# Altium PCB ESP32.PcbDoc
Units mm, origin at the board's own origin, x right, y up, seen from the top; angles counter-clockwise.
Board outline 56 x 56 mm, 2 copper layers (Top Layer, Bottom Layer), stack 0.779 mm thick; 69 components, 63 nets, 269 pads, 118 vias.
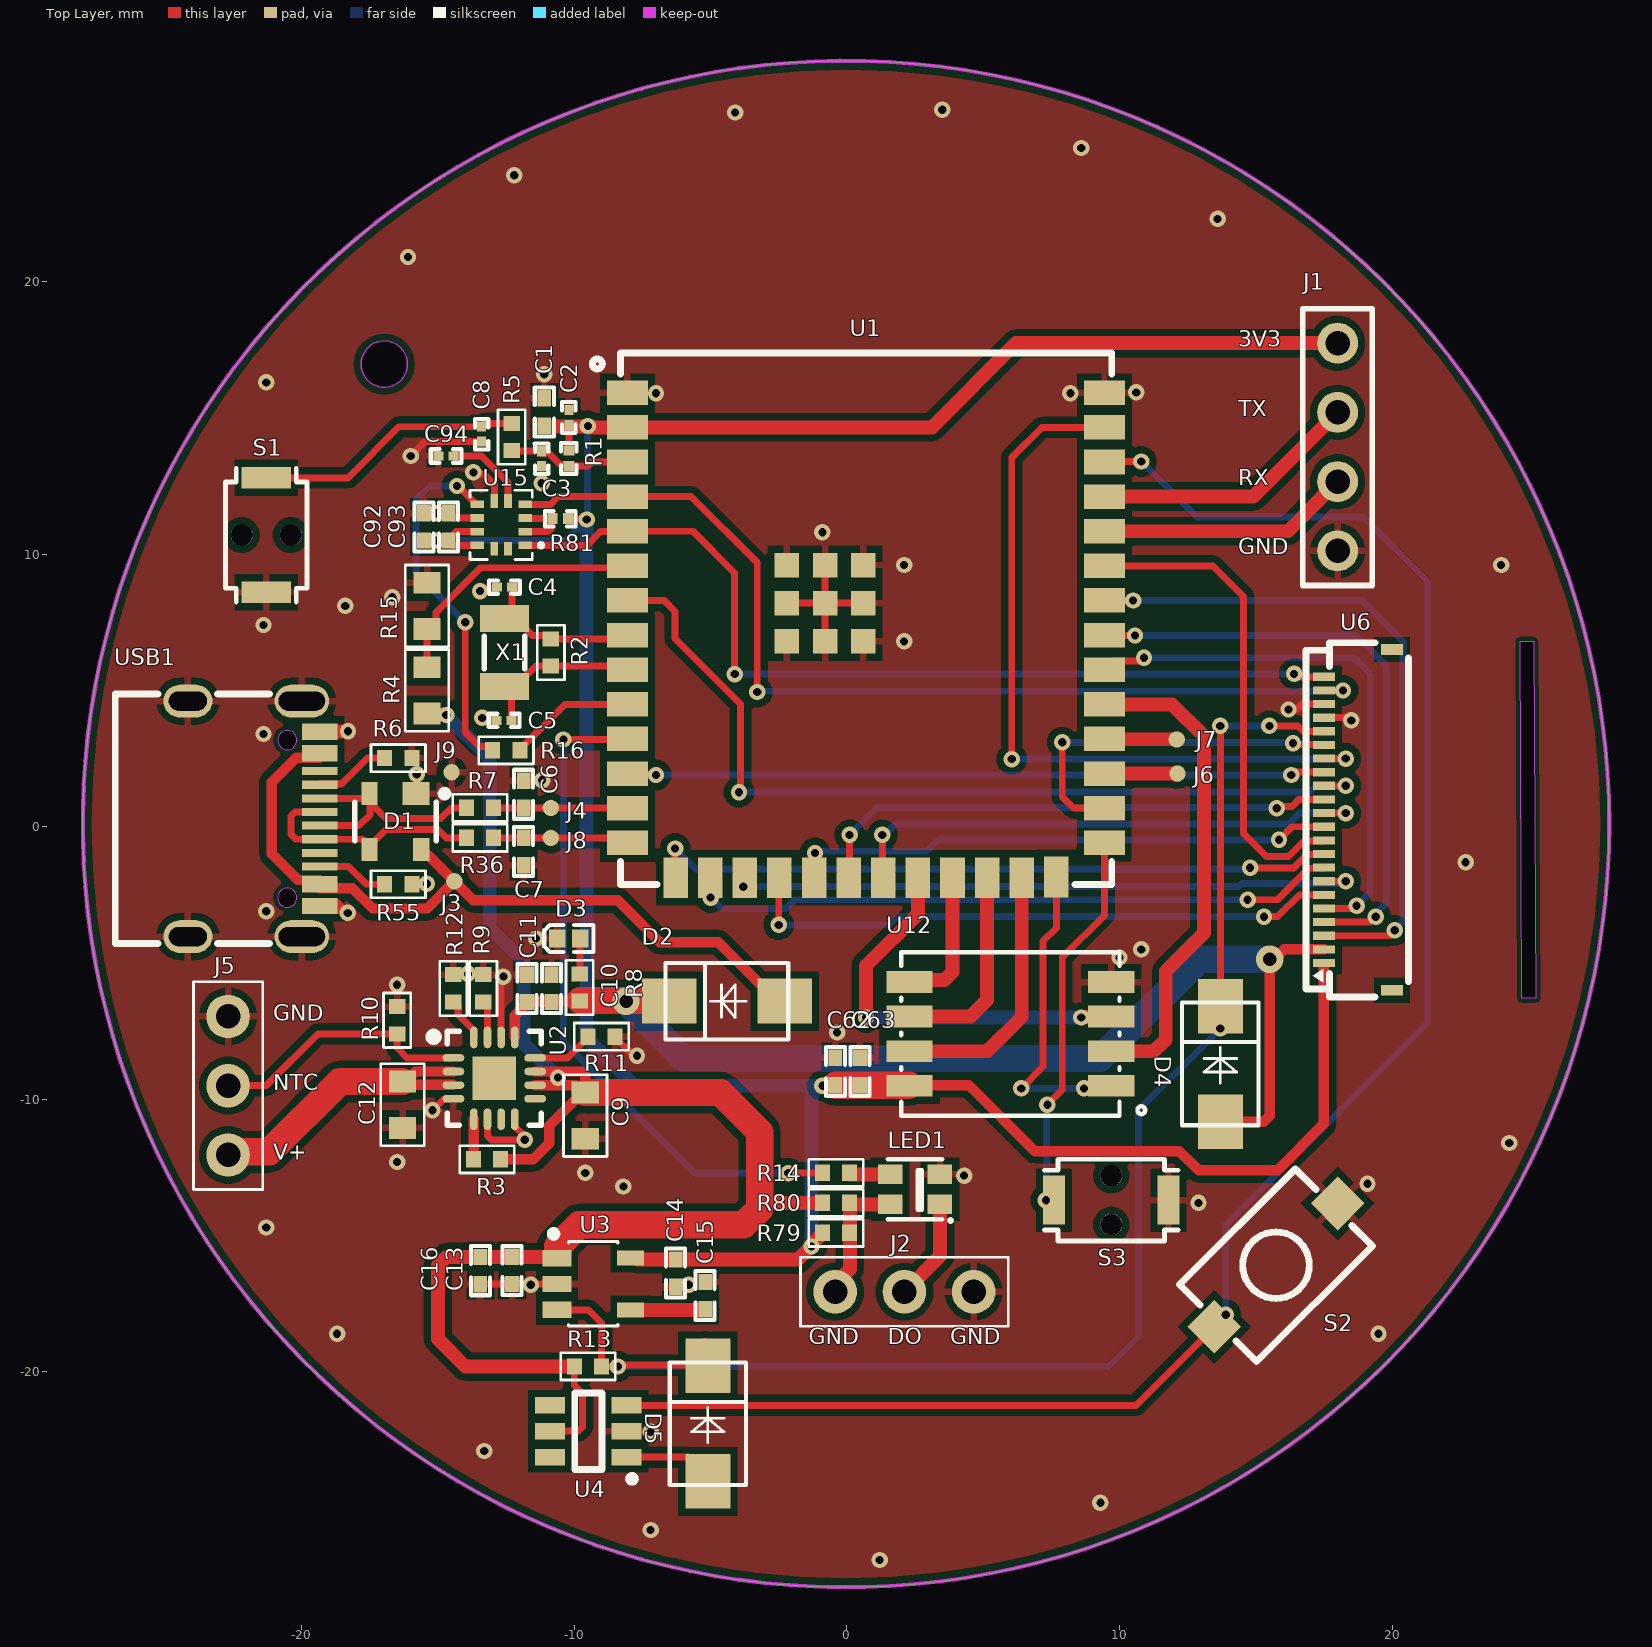
[diagram p0: Top Layer view]
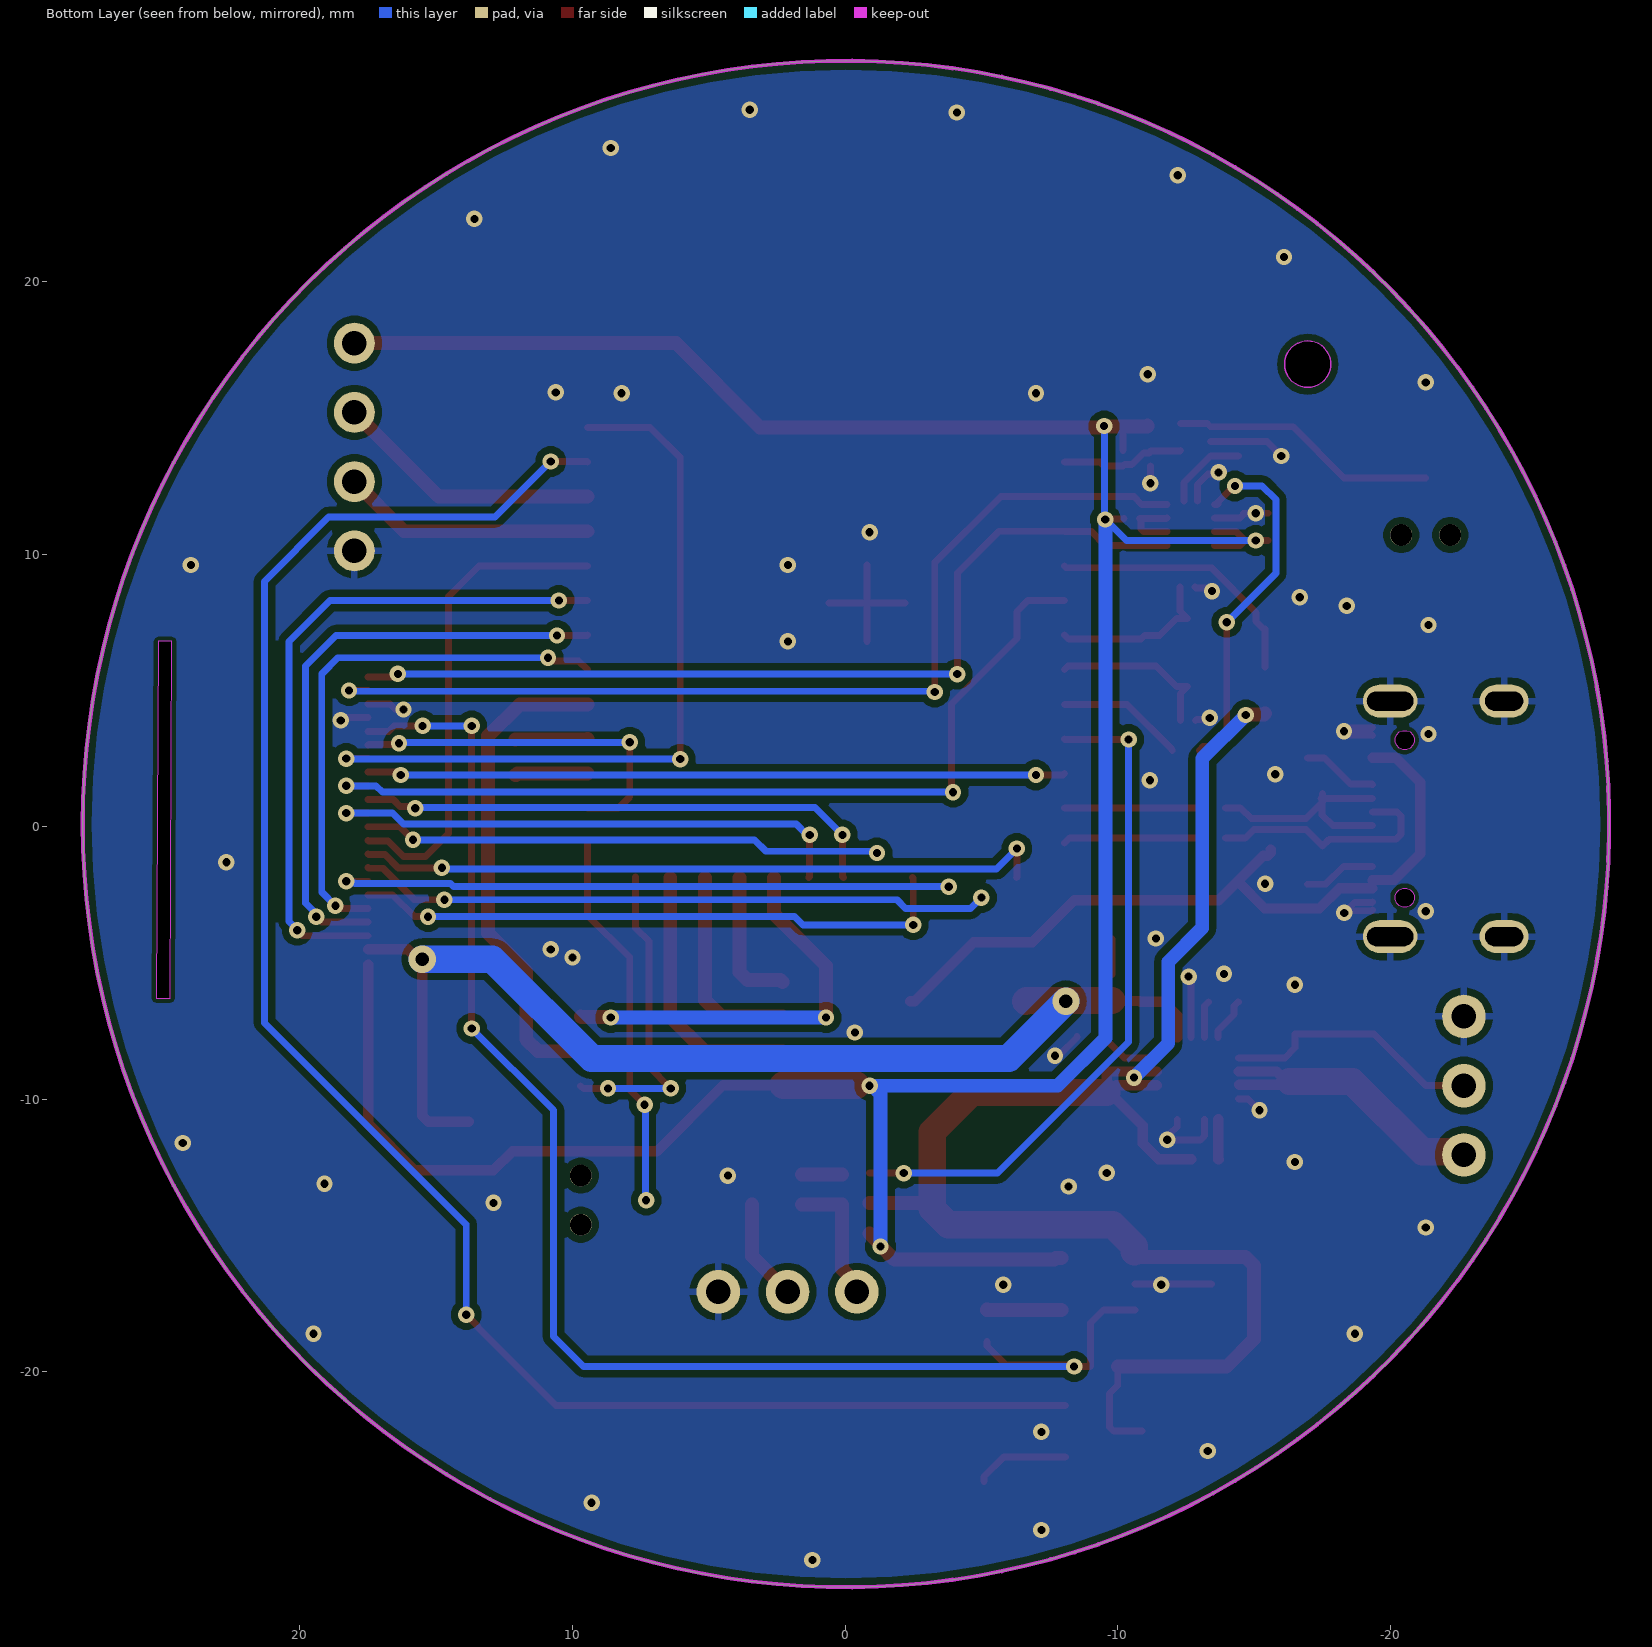
[diagram p1: Bottom Layer view, seen from below]
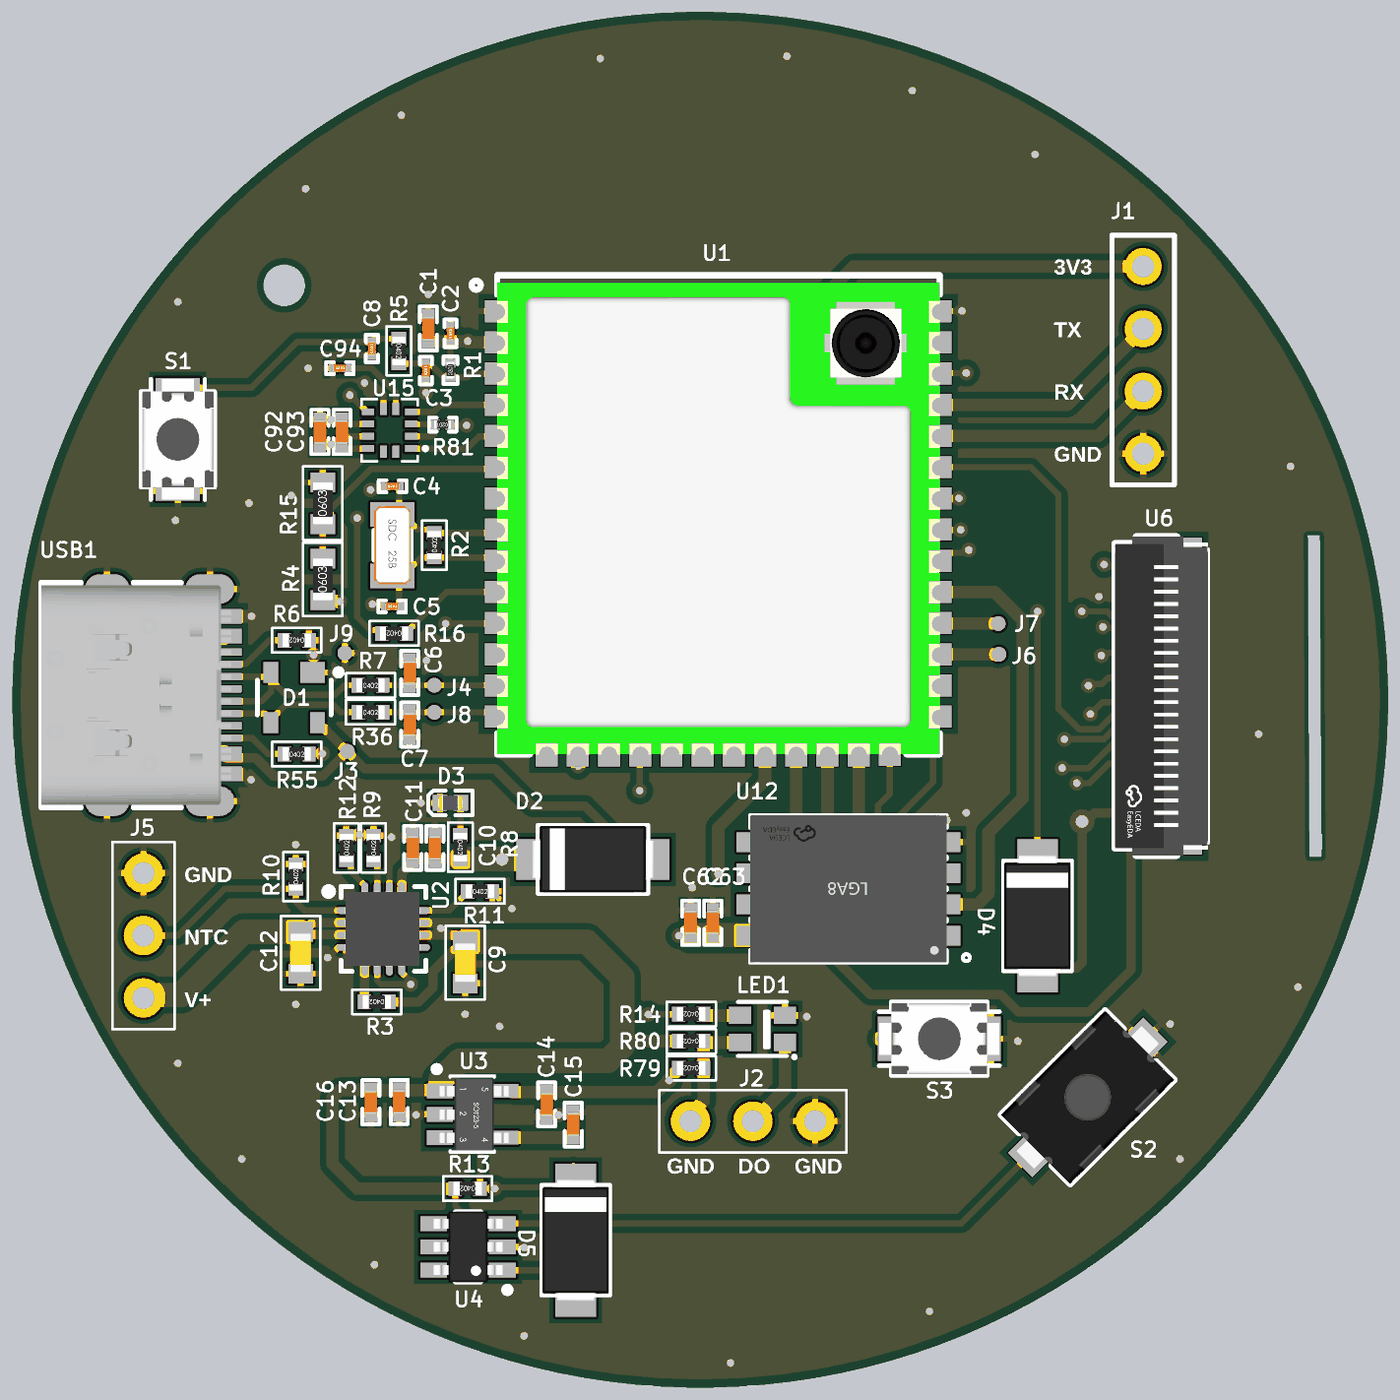
[diagram p2: 3D render of the assembled board from above, using the file's embedded part models]

## Layer stack, top to bottom
Top Solder: solder mask 0.0102, Solder Resist, Dk 3.5
Top Layer: signal copper 0.035
Dielectric: dielectric 0.709, FR-4, Dk 4.8
Bottom Layer: signal copper 0.035
Bottom Solder: solder mask 0.0102, Solder Resist, Dk 3.5

## Board outline
-28.032,0.1 ccw(c-0.032,0.1) -0.032,-27.9 ccw(c-0.032,0.1) 27.968,0.1 ccw(c-0.032,0.1) -0.032,28.1 ccw(c-0.032,0.1)
cut-out: -16.971,16.121 cw(c-16.971,16.971) -17.821,16.971 cw(c-16.971,16.971) -16.971,17.821 cw(c-16.971,16.971) -16.121,16.971 cw(c-16.971,16.971)
cut-out: 24.763,-6.301 24.697,6.798 25.198,6.801 25.264,-6.299

## Design rules (kind name [scope] priority, off if disabled: settings)
Clearance [All] p1: gap=0.152 ignorepadtopadclearanceinfootprint=FALSE except(0.254: Arc-Poly Track-Poly SMDPad-Poly THPad-Poly Via-Poly Fill-Poly Poly-Poly)
DiffPairsRouting [All] p1: maxlimit=0.254 minlimit=0.254 mostfreqgap=0.254 toplayer_minwidth=0.152 toplayer_maxwidth=0.381 toplayer_prefwidth=0.381 bottomlayer_minwidth=0.152 bottomlayer_maxwidth=0.381 bottomlayer_prefwidth=0.381 maxuncoupledlength=12.7
PolygonConnect [All] p1: thpad.connectstyle=Relief thpad.reliefconductorwidth=0.254 thpad.reliefentries=4 thpad.polygonreliefangle="90 Angle" thpad.airgapwidth=0.254 smdpad.connectstyle=Relief smdpad.reliefconductorwidth=0.254 smdpad.reliefentries=4 smdpad.polygonreliefangle="90 Angle" smdpad.airgapwidth=0.254 via.connectstyle=Direct via.reliefconductorwidth=0.254 via.reliefentries=4 via.polygonreliefangle="90 Angle" via.airgapwidth=0.254
RoutingVias [All] p1: holewidth=0.711 width=1.27 viastyle="Through Hole" minholewidth=0.3 minwidth=0.6 maxholewidth=0.711 maxwidth=1.27
SilkToSilkClearance [All] p1: silktosilkclearance=0
SolderMaskExpansion [All] p1: expansion=0.102 istentingtop=FALSE
Width [All] p1: maxlimit=1 minlimit=0.254 preferedwidth=0.254
28 further rules are at their usual default settings.

## Classes and differential pairs
component class SD: C62 C63 U12
component class Power: C9 C10 C11 C12 C13 C14 C15 C16 D2 D3 D4 D5 J5 R3 R8 R9 R10 R11 R12 R13 S2 U2 U3 U4
component class Other: C92 C93 C94 J2 LED1 R14 R79 R80 R81 U15
component class Main: J6 J7 R4 R15 R16 U6
component class ESP32: C1 C2 C3 C4 C5 C6 C7 C8 D1 J1 J3 J4 J8 J9 R1 R2 R5 R6 R7 R36 R55 S1 S3 U1 USB1 X1
differential pair class USB: D USB USB_D
net class USB: USB_D_N USB_D_P
differential pair USB_D: +USB_D_P -USB_D_N

## Components (designator, comment, footprint, x,y, rotation, side; value= is the part's Value field where it differs from the comment)
C1 "22uF (226) 20% 6.3V" 0402_C -11.1,15.215 r270 top
C2 "100nF (104) 10% 16V" 0201_C -10.2,15.015 r270 top
C3 "1uF (105) 10% 50V" 0201_C -11.2,13.5 r90 top
C4 "12pF (120) 5% 50V" 0201_C -12.56,8.79 r0 top
C5 "12pF (120) 5% 50V" 0201_C -12.574,3.9 r0 top
C6 "NC" 0402_C -11.86,1.19 r270 top
C7 "NC" 0402_C -11.86,-0.91 r90 top
C8 "100nF (104) 10% 16V" 0201_C -13.4,14.4 r270 top
C9 "10uF 20% 25V" 0603_C -9.6,-10.6 r90 top
C10 "10uF 20% 25V" 0402_C -10.835,-5.93 r270 top
C11 "100nF (104) 10% 16V" 0402_C -11.735,-5.93 r270 top
C12 "10uF 20% 25V" 0603_C -16.3,-10.2 r90 top
C13 "1uF 10% 50V" 0402_C -12.284,-16.276 r90 top
C14 "1uF 10% 50V" 0402_C -6.284,-16.376 r90 top
C15 "NC" 0402_C -5.2,-17.2 r270 top
C16 "100nF (104) 10% 16V" 0402_C -13.444,-16.286 r90 top
C62 "100nF (104) 10% 16V" 0402_C -0.42,-8.98 r90 top
C63 "10uF 20% 25V" 0402_C 0.48,-8.98 r270 top
C92 "100nF (104) 10% 16V" 0402_C -15.515,11 r270 top
C93 "10uF 20% 25V" 0402_C -14.615,11 r270 top
C94 "220nF (224) 10% 16V" 0201_C -14.7,13.6 r0 top
D1 "PRTR5V0U2X" SOT190P230X110-4L -16.56,0.19 r270 top
D2 "SS14" DO-214AC -4.4,-6.4 r0 top
D3 "LED绿色" LED_0402 -10.2,-4.1 r0 top
D4 "SS14" DO-214AC 13.7,-8.7 r270 top
D5 "SS14" DO-214AC -5.1,-21.9 r270 top
J1 "HEADER4" HEADER4_2.54MM_排针 18,17.74 r270 top
J2 "HEADER3" HEADER3 2.11,-17.06 r0 top
J3 "TP" TEST_Point -14.4,-2 r90 top
J4 "TP" TEST_Point -10.86,0.69 r90 top
J5 "HEADER3" HEADER3 -22.7,-9.5 r90 top
J6 "TP" TEST_Point 12.129,1.951 r0 top
J7 "TP" TEST_Point 12.1,3.2 r0 top
J8 "TP" TEST_Point -10.86,-0.41 r90 top
J9 "TP" TEST_Point -14.5,2 r90 top
LED1 "WS2812B-2020" LED-SMD_4P-L2.0-W2.0-TL_WS2812B-2020 2.5,-13.3 r180 top
R1 "10K" 0201_R -10.2,13.515 r90 top
R2 "NC" 0402_R -10.86,6.39 r90 top
R3 "10K" 0402_R -13.2,-12.2 r180 top
R4 "3.65M" 0603_R -15.4,5 r90 top
R5 "0Ω ±1%" 0402_R -12.3,14.3 r270 top
R6 "5.1KΩ ±1%" 0402_R -16.458,2.521 r180 top
R7 "0Ω ±1%" 0402_R -13.46,0.69 r0 top
R8 "1KΩ ±1%" 0402_R -9.8,-5.9 r270 top
R9 "10K" 0402_R -13.335,-5.93 r90 top
R10 "10K" 0402_R -16.5,-7.1 r90 top
R11 "1.18K" 0402_R -9,-7.7 r0 top
R12 "1.13K" 0402_R -14.435,-5.93 r90 top
R13 "10K" 0402_R -9.5,-19.8 r180 top
R14 "10K" 0402_R -0.4,-12.7 r180 top
R15 "1M" 0603_R -15.4,8.1 r90 top
R16 "0Ω ±1%" 0402_R -12.5,2.8 r180 top
R36 "0Ω ±1%" 0402_R -13.46,-0.41 r0 top
R55 "5.1KΩ ±1%" 0402_R -16.46,-2.11 r0 top
R79 "0Ω ±1%" 0402_R -0.4,-14.9 r180 top
R80 "NC" 0402_R -0.4,-13.8 r180 top value=10K
R81 "10K" 0201_R -10.515,11.3 r180 top
S1 "3x4x2 轻触开关" KEY_3x4X2包脚U型 -21.3,10.7 r270 top
S2 "轻触开关6x4x2.5" SW-SMD_L6.0-W4.0-LS7.2 15.742,-16.084 r45 top
S3 "3x4x2 轻触开关" KEY_3x4X2包脚U型 9.7,-13.7 r180 top
U1 "ESP32-S3-WROOM-1U" WIRELM-SMD_ESP32-S3-WROOM-1U 0.7,7.025 r0 top
U2 "BQ24072RGTR" QFN-16_L3.0-W3.0-P0.50-TL-EP -12.935,-9.23 r0 top
U3 "TLV75733PDBVR" SOT-23_5 -9.284,-16.776 r180 top
U4 "EC190708" SOT-23-6 -9.484,-22.176 r0 top
U6 "KH-FPC0.5-H1.0SMT-22P-QCHF" FPC-SMD_22P-P0.50_XKB_X05A10L22G 18.75,0.25 r90 top
U12 "CSNP1GCR01-BOW" LGA-8_L6.0-W8.0-P1.27-TL 6,-7.6 r180 top
U15 "LSM303AGRTR" LGA-12_L2.0-W2.0-P0.50-BL -12.68,11.074 r90 top
USB1 "KH-TYPE-C-16P" USB-C-SMD_KH-TYPE-C-16P -21.76,0.29 r270 top
X1 "32.768kHz" XTAL_3215 -12.56,6.39 r270 top

## Footprints (in the part's own frame and the unit in brackets; to place one, negate y for a bottom-side part, rotate by r counter-clockwise, add the part's x,y. Pads: shape width x height; smd on the part's side, far side on the other; paste and mask are expansions set on the pad)
0201_C [mm]
  rect 0.368x0.324 smd: 1(-0.274,0) 2(0.274,0)
  silkscreen extent -0.56,-0.25 0.56,0.25, body extent -0.3,-0.15 0.3,0.15, height 0.31
0201_R [mm]
  rect 0.36x0.4 smd mask+0.051: 1(-0.285,0) 2(0.285,0)
  silkscreen extent -0.56,-0.28 0.56,0.28, body extent -0.34,-0.16 0.34,0.16, height 0.34
0402_C [mm] "Chip Capacitor, 2-Leads, Body 1.0x0.5mm, IPC High Density"
  rect 0.6x0.5 smd: 1(-0.5,0) 2(0.5,0)
  silkscreen extent -0.9,-0.35 0.9,0.35, body extent -0.51,-0.25 0.51,0.25, height 0.5
0402_R [mm]
  rect 0.55x0.6 smd: 1(-0.5,0) 2(0.5,0)
  silkscreen extent -1,-0.5 1,0.5, body extent -0.57,-0.27 0.58,0.28, height 0.41
0603_C [mm]
  rect 0.799x1 smd: 1(-0.85,0) 2(0.85,0)
  silkscreen extent -1.5,-0.8 1.5,0.8, body extent -0.8,-0.43 0.8,0.43, height 0.8
0603_R [mm]
  rect 0.799x1 smd: 1(-0.85,0) 2(0.85,0)
  silkscreen extent -1.5,-0.8 1.5,0.8, body extent -0.85,-0.4 0.85,0.4, height 0.56
DO-214AC [mm]
  rect 2x1.65 smd: 1(2.12,0) 2(-2.12,0)
  silkscreen extent -2.25,-1.4 2.25,1.4, body extent -2.5,-1.35 2.5,1.35, height 2.15
FPC-SMD_22P-P0.50_XKB_X05A10L22G [mm]
  rect 0.3x0.8 smd paste+0 mask+0.05: 1(-5.25,1.25) 2(-4.75,1.25) 3(-4.25,1.25) 4(-3.75,1.25) 5(-3.25,1.25) 6(-2.75,1.25) 7(-2.25,1.25) 8(-1.75,1.25) 9(-1.25,1.25) 10(-0.75,1.25) 11(-0.25,1.25) 12(0.25,1.25) 13(0.75,1.25) 14(1.25,1.25) 15(1.75,1.25) 16(2.25,1.25) 17(2.75,1.25) 18(3.25,1.25) 19(3.75,1.25) 20(4.25,1.25) 21(4.75,1.25) 22(5.25,1.25)
  rect 0.4x0.8 smd paste+0 mask+0.05: 23(6.25,-1.25) 24(-6.25,-1.25)
  silkscreen extent -6.5,-1.85 6.5,1.91, body extent -6.5,-1.9 6.5,1.91, height 1.22
HEADER3 [mm]
  round 1.6 hole 0.9: 1(-2.54,0) 2(0,0) 3(2.54,0)
  silkscreen extent -3.81,-1.27 3.81,1.27
HEADER4_2.54MM_排针 [mm]
  round 1.5 hole 0.9: 1(0,0) 2(2.54,0) 3(5.08,0) 4(7.62,0)
  silkscreen extent -1.27,-1.27 8.89,1.27
KEY_3x4X2包脚U型 [mm]
  rect 0.8x1.8 smd: 1(-2.1,0) 2(2.1,0)
  round 0.8 hole 0.8 unplated: ""(0,0.9) ""(0,-0.9)
  silkscreen extent -2.45,-1.5 2.45,1.5, body extent -2.45,-1.45 2.45,1.45, height 2
LED-SMD_4P-L2.0-W2.0-TL_WS2812B-2020 [mm]
  rect 0.9x0.7 smd: 1(-0.915,0.55) 2(-0.915,-0.55) 3(0.915,-0.55) 4(0.915,0.55)
  silkscreen extent -1.3,-1.1 1,1.15
LED_0402 [mm]
  rect 0.6x0.65 smd mask+0.051: A(0.425,0) K(-0.425,0)
  silkscreen extent -0.9,-0.5 0.9,0.5, body extent -0.5,-0.3 0.5,0.3, height 0.2
LGA-8_L6.0-W8.0-P1.27-TL [mm]
  rect 1.7x0.8 smd: 1(-3.7,1.905) 2(-3.7,0.635) 3(-3.7,-0.635) 4(-3.7,-1.905) 5(3.7,-1.905) 6(3.7,-0.635) 7(3.7,0.635) 8(3.7,1.905)
  silkscreen extent -4.94,-3 4,3, body extent -4,-3 4,3, height 0.77
LGA-12_L2.0-W2.0-P0.50-BL [mm]
  rect 0.28x0.5 smd: 1(-0.75,-0.875) 2(-0.25,-0.875) 3(0.25,-0.875) 4(0.75,-0.875) 7(0.75,0.875) 8(0.25,0.875) 9(-0.25,0.875) 10(-0.75,0.875)
  rect 0.5x0.28 smd: 5(0.875,-0.25) 6(0.875,0.25) 11(-0.875,0.25) 12(-0.875,-0.25)
  silkscreen extent -1.27,-1.53 1.27,1.14
QFN-16_L3.0-W3.0-P0.50-TL-EP [mm]
  oval 0.8x0.28 smd: 1(-1.5,0.75) 2(-1.5,0.25) 3(-1.5,-0.25) 4(-1.5,-0.75) 9(1.5,-0.75) 10(1.5,-0.25) 11(1.5,0.25) 12(1.5,0.75)
  oval 0.28x0.8 smd: 5(-0.75,-1.5) 6(-0.25,-1.5) 7(0.25,-1.5) 8(0.75,-1.5) 13(0.75,1.5) 14(0.25,1.5) 15(-0.25,1.5) 16(-0.75,1.5)
  rect 1.6x1.6 smd: 17(0,0)
  silkscreen extent -2.38,-1.72 1.72,1.72, body extent -1.55,-1.52 1.49,1.52, height 0.9
SOT190P230X110-4L [mm] "SOT143, 4-Leads, Body 3.0x2.5mm (max), Pitch 1.90mm, IPC High Density"
  rect 0.85x1 smd: 1(-1.025,0.75)
  rect 0.85x0.6 smd: 2(-1.025,-0.95) 3(1.025,-0.95) 4(1.025,0.95)
  silkscreen extent -1.15,-1.5 0.7,1.93, body extent -1.21,-1.46 1.21,1.46, height 1
SOT-23-6 [mm]
  rect 1.1x0.6 smd: 1(1.4,-0.95) 2(1.4,0) 3(1.4,0.95) 4(-1.4,0.95) 5(-1.4,0) 6(-1.4,-0.95)
  silkscreen extent -0.5,-1.87 1.73,1.4, body extent -1.4,-1.45 1.4,1.45, height 1.45
SOT-23_5 [mm]
  rect 1.05x0.6 smd: 1(1.35,-0.95) 2(1.35,0) 3(1.35,0.95)
  rect 1x0.55 smd: 4(-1.35,0.95) 5(-1.35,-0.95)
  silkscreen extent -0.87,-1.96 1.6,1.54, body extent -1.45,-1.44 1.35,1.46, height 1.09
SW-SMD_L6.0-W4.0-LS7.2 [mm]
  rect 1.4x1.4 smd paste+0 mask+0.05: 1(-3.2,0) 2(3.2,0)
  silkscreen extent -3,-2 3,2, body extent -3.6,-2 3.6,2, height 2.52
TEST_Point [mm]
  round 0.6 smd: 1(0,0)
USB-C-SMD_KH-TYPE-C-16P [mm]
  oval 1.2x2 hole 0.7 slot 1.7 at 90 deg: 1(-4.32,1.765) 2(4.32,1.765)
  oval 1.2x1.8 hole 0.7 slot 1.4 at 90 deg: 3(-4.32,-2.415) 4(4.32,-2.415)